# Altium PCB mainPCB.PcbDoc
Units mm, origin at the board's own origin, x right, y up, seen from the top; angles counter-clockwise.
Board outline 55 x 25 mm, 4 copper layers (Top Layer, Int1 (GND), Int2 (PWR), Bottom Layer), stack 1.369 mm thick; 62 components, 22 nets, 224 pads, 80 vias.
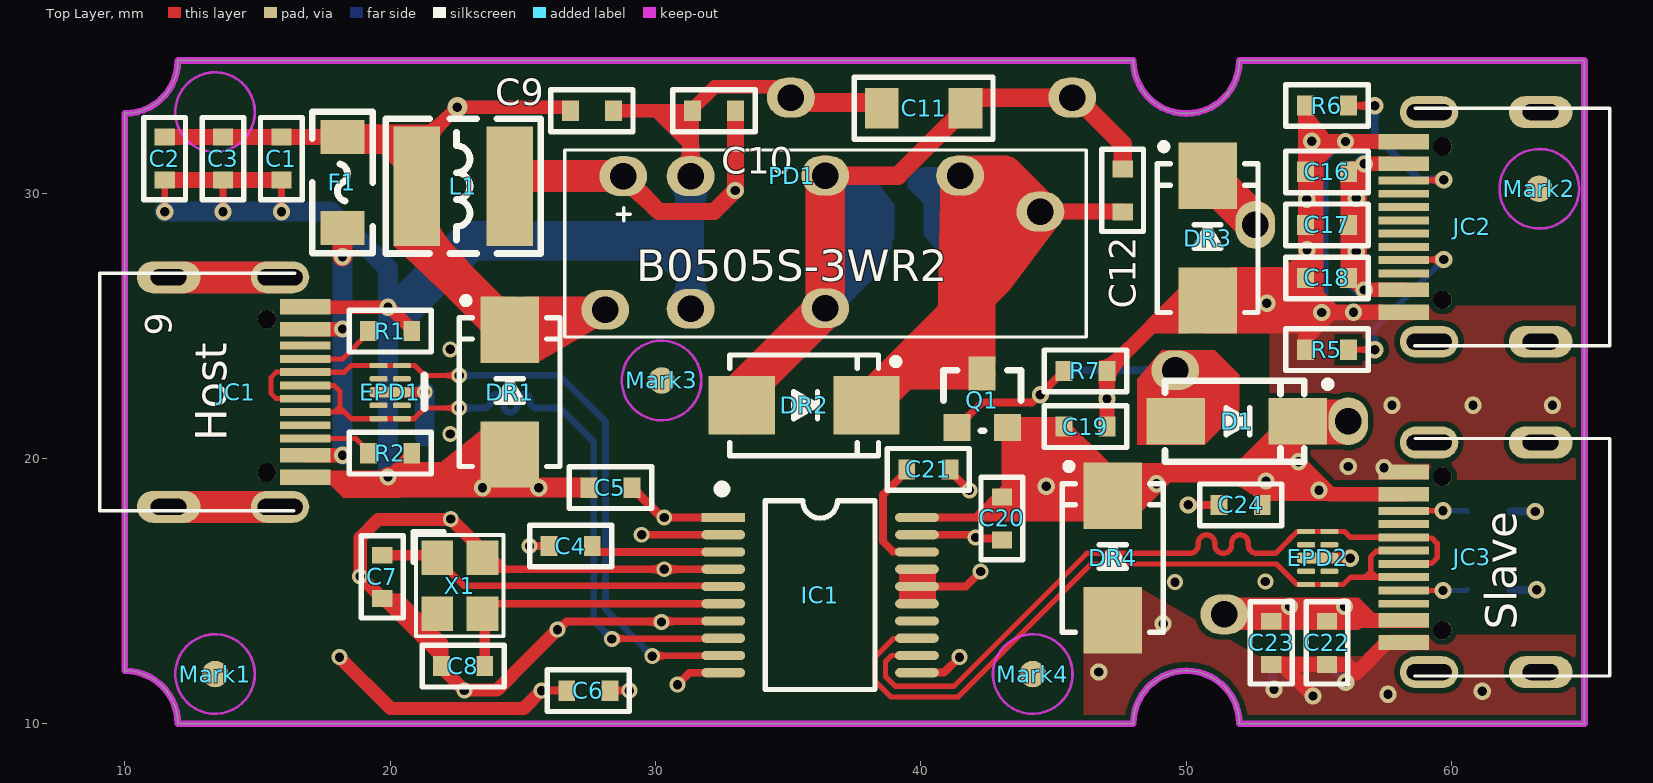
[diagram p0: Top Layer view]
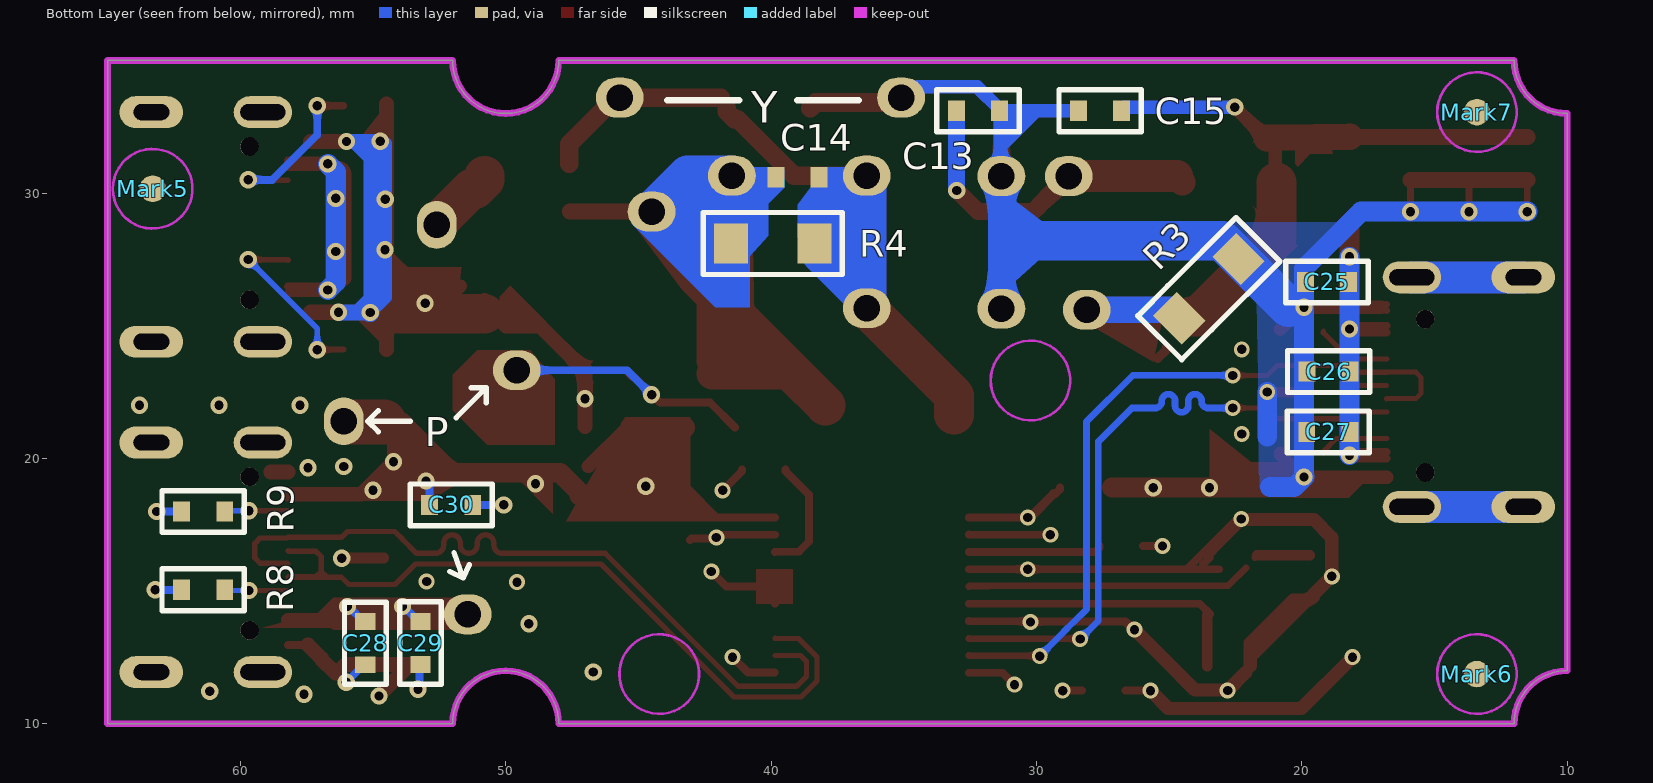
[diagram p1: Bottom Layer view, seen from below]
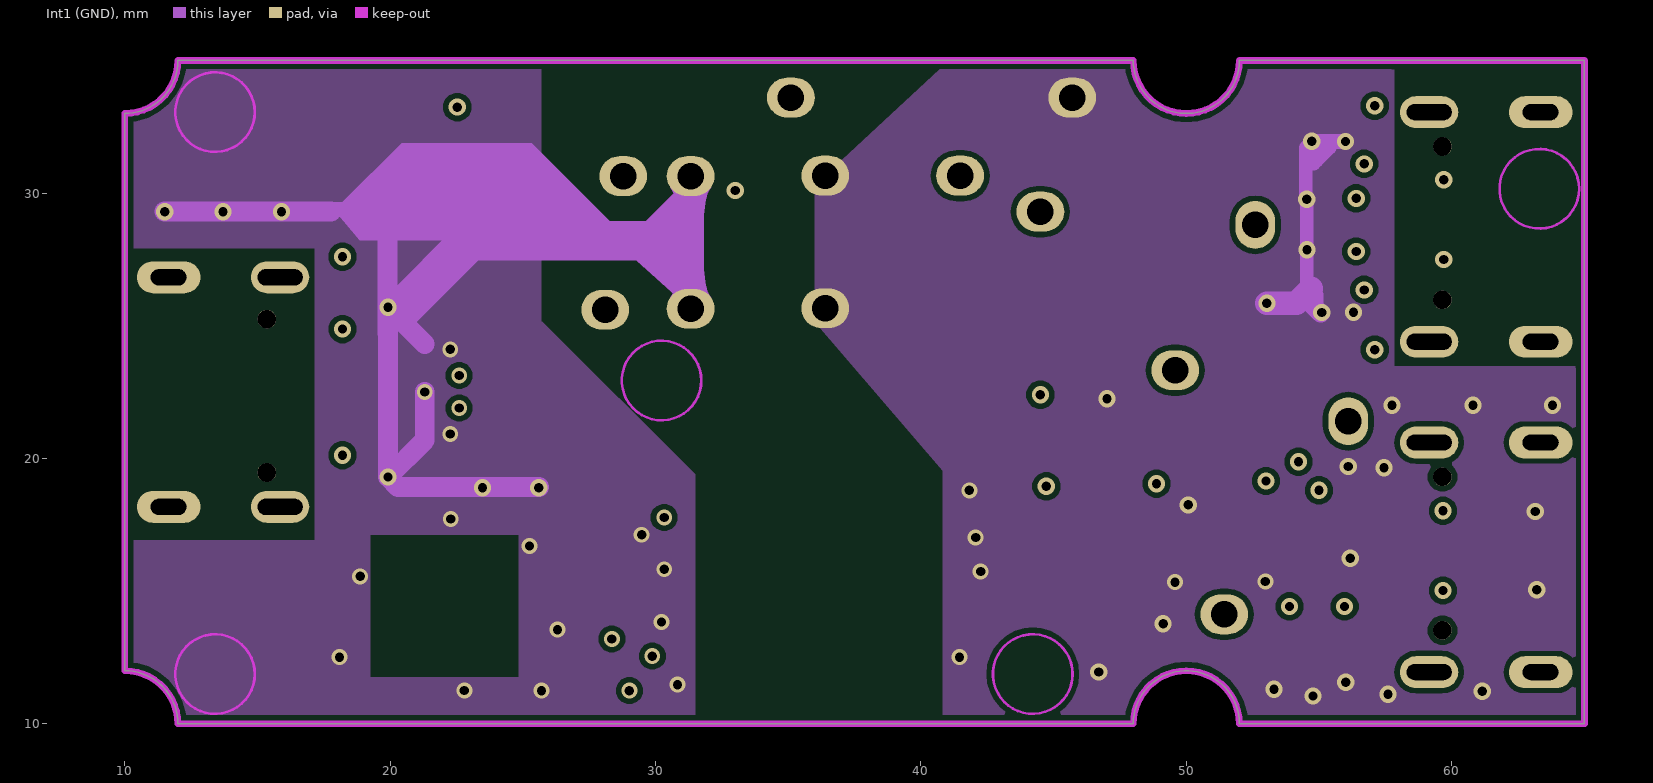
[diagram p2: Int1 (GND)]
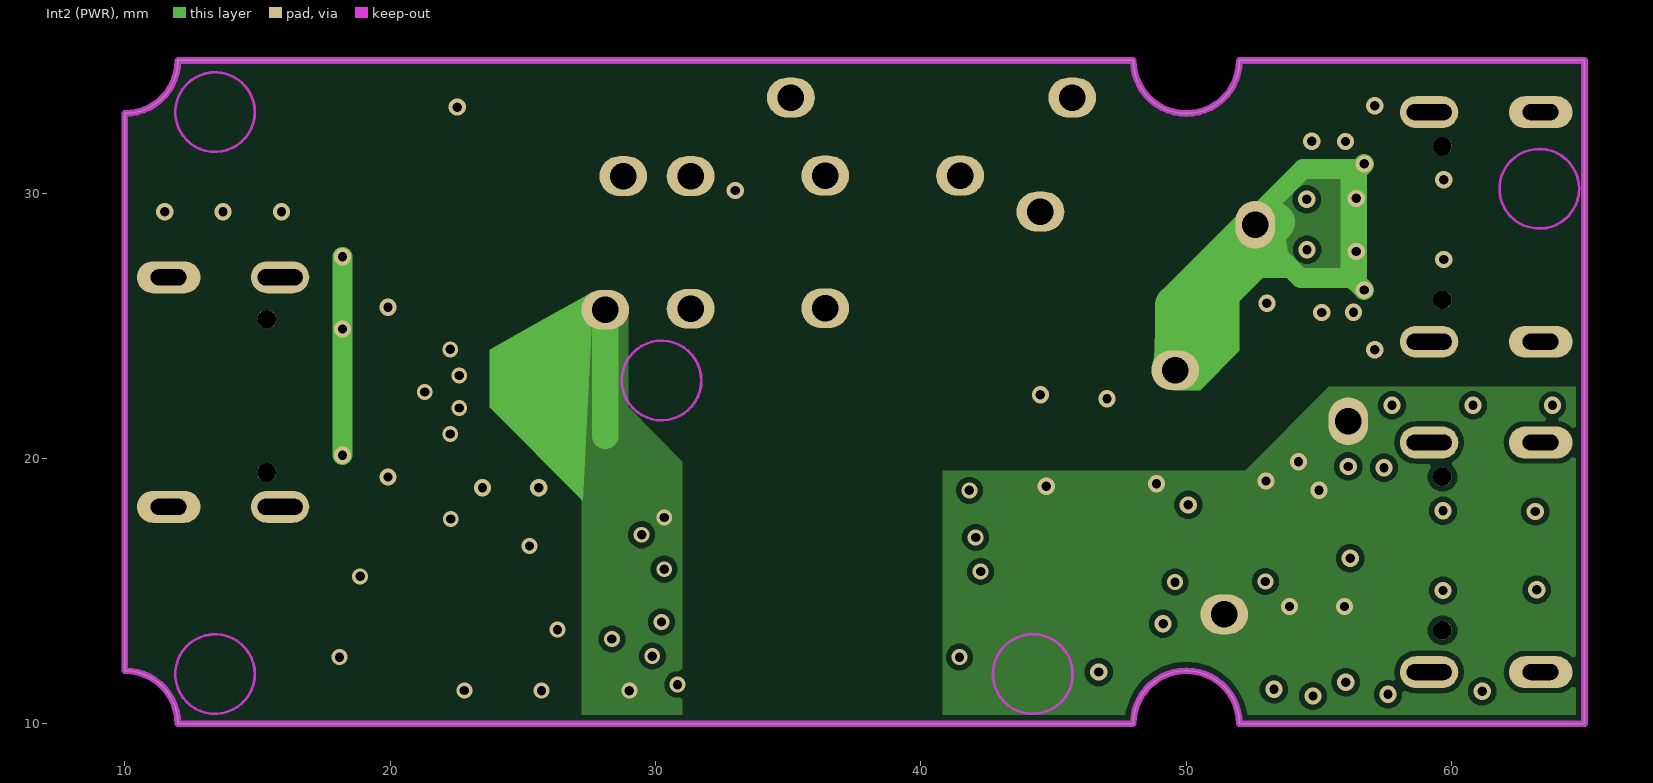
[diagram p3: Int2 (PWR)]
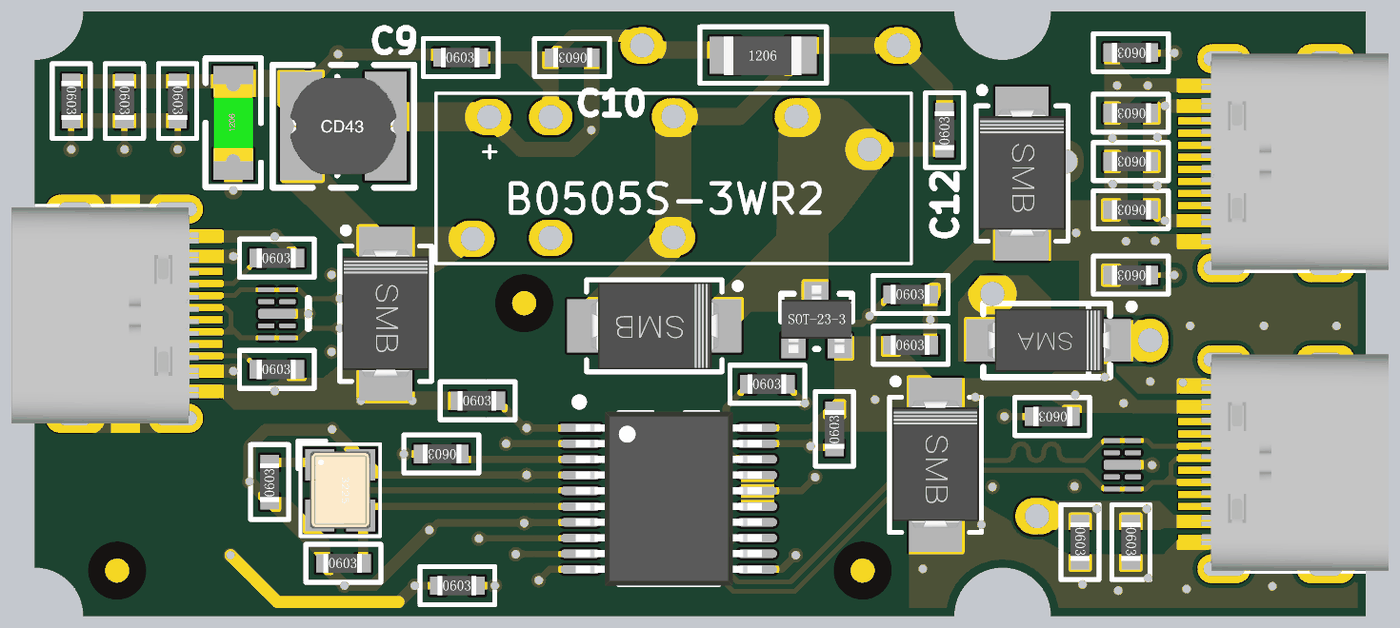
[diagram p4: 3D render of the assembled board from above, using the file's embedded part models]
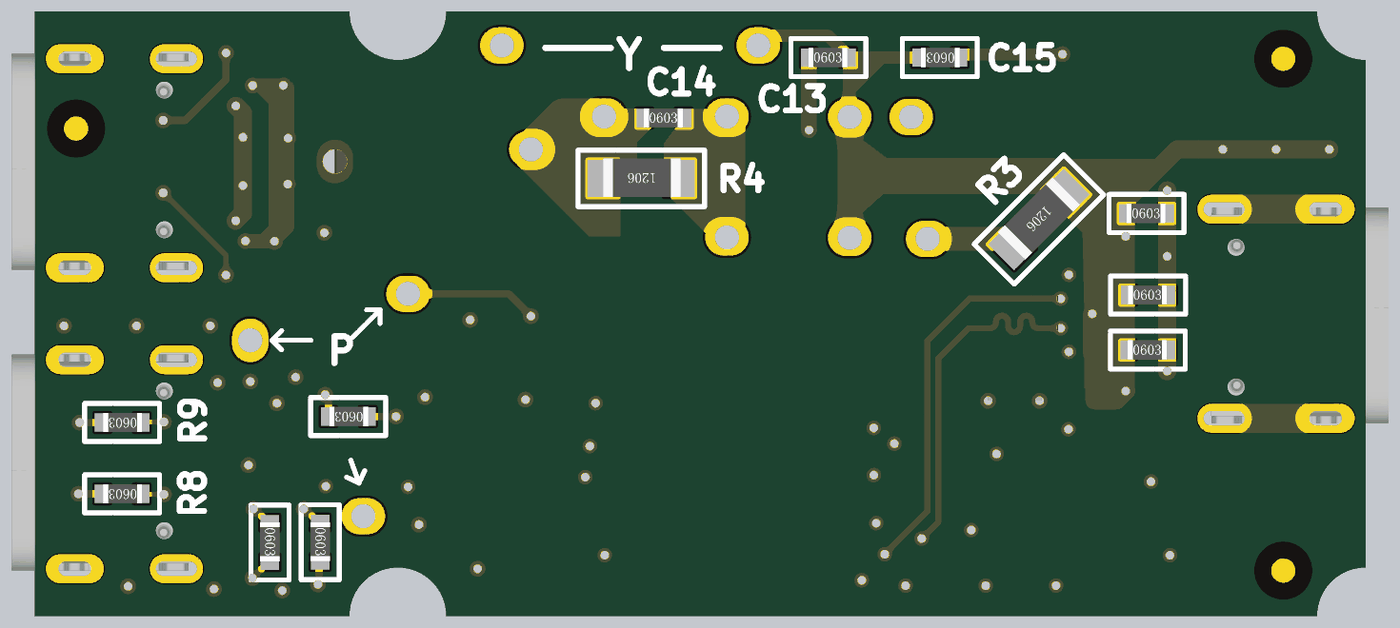
[diagram p5: 3D render of the assembled board from below, using the file's embedded part models]

## Layer stack, top to bottom
Top Solder: solder mask 0.0254, SM-001, Dk 4
Top Layer: signal copper 0.035
Dielectric 1: prepreg 0.1295, PP-017, Dk 4.3
Dielectric 2: prepreg 0.1295, PP-017, Dk 4.3
Int1 (GND): signal copper 0.035
Dielectric 3: core 0.7112, Core-039, Dk 4.8
Int2 (PWR): signal copper 0.035
Dielectric 4: prepreg 0.1295, PP-017, Dk 4.3
Dielectric 5: prepreg 0.1295, PP-017, Dk 4.3
Bottom Layer: signal copper 0.035
Bottom Solder: solder mask 0.0254, SM-001, Dk 4

## Board outline
10,12 cw(c10,10) 12,10 48,10 cw(c50,10) 52,10 65,10 65,35 52,35 cw(c50,35) 48,35 12,35 cw(c10,35) 10,33

## Design rules (kind name [scope] priority, off if disabled: settings)
Clearance [All] p1: gap=0.2 ignorepadtopadclearanceinfootprint=FALSE
DiffPairsRouting [All] p1: maxlimit=0.254 minlimit=0.2 mostfreqgap=0.2 toplayer_minwidth=0.1 toplayer_maxwidth=0.381 toplayer_prefwidth=0.2 midlayer1_minwidth=0.1 midlayer1_maxwidth=0.381 midlayer1_prefwidth=0.2 midlayer2_minwidth=0.1 midlayer2_maxwidth=0.381 midlayer2_prefwidth=0.2 bottomlayer_minwidth=0.1 bottomlayer_maxwidth=0.381 bottomlayer_prefwidth=0.2 maxuncoupledlength=5
PlaneConnect [All] p1: planeconnectstyle=Direct reliefexpansion=0.508 reliefentries=4 reliefconductorwidth=0.254 reliefairgap=0.254
PolygonConnect [All] p1: connectstyle=Direct reliefconductorwidth=0.254 reliefentries=4 polygonreliefangle="90 Angle" airgapwidth=0.254
RoutingVias [All] p1: holewidth=0.711 width=1.27 viastyle="Through Hole" minholewidth=0.711 minwidth=1.27 maxholewidth=0.711 maxwidth=1.27
SolderMaskExpansion [All] p1: expansion=0.102 istentingtop=FALSE
UnpouredPolygon [All] p1: allowunpoured=TRUE
Width [All] p1: maxlimit=2 minlimit=0.15 preferedwidth=0.254 toplayer_prefwidth=0.2 bottomlayer_prefwidth=0.2 minimp=50.000000 maximp=50.000000 favimp=50.000000
27 further rules are at their usual default settings.

## Classes and differential pairs
component class Sheet1: C1 C2 C3 C4 C6 C7 C8 C9 C10 C11 C12 C13 C14 C15 C16 C17 C18 C19 C20 C21 C22 C23 C24 D1 DR1 DR2 DR3 DR4 EPD1 EPD2 F1 IC1 JC1 JC2 JC3 L1 PD1 Q1 R1 R2 R3 R4 R5 R6 R7 R8 R9 X1
differential pair Slave_D: +Slave_D_P -Slave_D_N
differential pair Host_D: +Host_D_P -Host_D_N

## Components (designator, comment, footprint, x,y, rotation, side; value= is the part's Value field where it differs from the comment)
C1 "1uF" 0603 15.9,31.3 r270 top
C2 "0.1uF" 0603 11.5,31.3 r270 top
C3 "10uF" 0603 13.7,31.3 r270 top
C4 "0.1uF" 0603 26.8,16.7 r180 top
C5 "0.1uF" 0603 28.3,18.9 r0 top
C6 "1uF" 0603 27.463,11.25 r0 top
C7 "9pF" 0603 19.7,15.538 r90 top locked
C8 "9pF" 0603 22.75,12.175 r0 top locked
C9 "4.7uF" 0603 27.6,33.1 r0 top locked
C10 "4.7uF" 0603 32.2,33.1 r180 top locked
C11 "270pF/1000v/2000v" 1206R 40.1,33.2 r0 top locked
C12 "10uF" 0603 47.6,30.1 r90 top locked
C13 "Reserved" 0603 32.2,33.1 r180 bottom
C14 "Reserved" 0603 39,30.6 r180 bottom locked
C15 "Reserved" 0603 27.6,33.1 r0 bottom locked
C16 "1uF" 0603 55.3,30.8 r180 top
C17 "0.1uF" 0603 55.3,28.8 r180 top
C18 "10uF" 0603 55.3,26.8 r180 top
C19 "10uF" 0603 46.2,21.2 r0 top
C20 "0.1uF" 0603 43.05,17.738 r90 top
C21 "0.1uF" 0603 40.275,19.587 r0 top
C22 "1uF" 0603 55.3,13.05 r270 top
C23 "0.1uF" 0603 53.2,13.05 r270 top
C24 "10uF" 0603 52.05,18.25 r180 top locked
C25 "0.1uF" 0603 19.05,26.65 r180 bottom (schematic designator C2)
C26 "0.1uF" 0603 18.988,23.274 r180 bottom locked (schematic designator C2)
C27 "0.1uF" 0603 19,21 r180 bottom locked (schematic designator C2)
C28 "0.1uF" 0603 55.288,13.037 r270 bottom (schematic designator C23)
C29 "0.1uF" 0603 53.21,13.045 r270 bottom (schematic designator C23)
C30 "0.1uF" 0603 52.053,18.248 r0 bottom (schematic designator C23)
D1 "SS54" SMA/DO-214AC 51.9,21.4 r0 top
DR1 "SMBJ5.0CA" SMB 24.5,22.5 r90 top
DR2 "SMBJ5.0CA" SMB 35.6,22 r0 top locked
DR3 "SMBJ5.0CA" SMB 50.8,28.3 r90 top
DR4 "SMBJ5.0CA" SMB 47.225,16.25 r90 top
EPD1 "Rclamp0524P" SLP2510P8 20,22.5 r90 top locked
EPD2 "Rclamp0524P" SLP2510P8 54.95,16.25 r90 top
F1 "MSMF-6V 1.1A" "FU 1206" 18.2,30.4 r90 top locked
IC1 "ADuM3165" SSOP20 36.2,14.85 r0 top locked
JC1 "Type-c" TYPE-C-SMD_TYPE-C-31-M-41 12.3,22.5 r270 top locked
JC2 "Type-c" TYPE-C-SMD_TYPE-C-31-M-41 62.7,28.725 r90 top locked
JC3 "Type-c" TYPE-C-SMD_TYPE-C-31-M-41 62.7,16.275 r90 top locked
L1 "6.8uH" CD43 22.75,30.262 r0 top
Mark1 "Comment" "Mark 1" 13.4,11.875 r0 top
Mark2 "Comment" "Mark 1" 63.3,30.162 r0 top
Mark3 "Comment" "Mark 1" 30.225,22.938 r0 top
Mark4 "Comment" "Mark 1" 44.212,11.875 r0 top
Mark5 "Comment" "Mark 1" 63.3,30.162 r180 bottom
Mark6 "Comment" "Mark 1" 13.4,11.875 r180 bottom
Mark7 "Comment" "Mark 1" 13.4,33.05 r180 bottom
PD1 "B0505S-3WR2 Isolator" "B0505S-3WR2 K-CUT" 36.4,28.1 r0 top locked
Q1 "AO3401" SOT23 41.236,21.152 r0 top
R1 "5.1K" 0603 20,24.8 r0 top locked
R2 "5.1K" 0603 20,20.2 r0 top locked
R3 "R_VDR=9V(5V6)" 1206R 23.5,26.4 r315 bottom
R4 "" 1206R 39.937,28.1 r0 bottom locked
R5 "5.1K" 0603 55.3,24.1 r180 top
R6 "5.1K" 0603 55.3,33.3 r180 top
R7 "10K" 0603 46.2,23.3 r0 top
R8 "?" 0603 61.4,15.05 r0 bottom
R9 "?" 0603 61.4,18 r0 bottom
X1 "24MHz" "OSC 3225-4P" 22.625,15.205 r270 top locked

## Footprints (in the part's own frame and the unit in brackets; to place one, negate y for a bottom-side part, rotate by r counter-clockwise, add the part's x,y. Pads: shape width x height; smd on the part's side, far side on the other; paste and mask are expansions set on the pad)
0603 [mil]
  rect 25x30 smd: 1(-32,0) 2(32,0)
  silkscreen extent -61,-31 61,31, body extent -32,-16 31,16, height 18
1206R [mil]
  rect 50x60 smd: 1(-62,0) 2(62,0)
  silkscreen extent -103,-46 103,46, body extent -64,-32 62,31, height 24
"B0505S-3WR2 K-CUT" [mm] "power isolator module"
  oval 1.8x1.5 hole 1: 1(-7.62,2.54) 2(-5.08,2.54) 4(-0.005,2.559) 6(5.075,2.559)
  silkscreen extent -9.82,-3.52 9.82,3.52, body extent -9.82,-3.52 9.82,3.52, height 10.16
CD43 [mm] "4.5*4*3.2mm（长宽高）"
  rect 1.75x4.5 smd: 1(-1.75,0) 2(1.75,0)
  silkscreen extent -2.92,-2.54 2.92,2.54, body extent -2.21,-2 2.21,2, height 3.3
"FU 1206" [mil] "贴片保险丝"
  rect 50x65 smd: 1(-67.5,0) 2(67.5,0)
  silkscreen extent -105,-45 105,45, body extent -63,-32 63,32, height 34
"Mark 1" [mm] "光学定位点，直径1mm"
  round 1 smd paste-1 mask+0.7: Mark(0,0)
  Keep-Out Layer circle w0.1: c0,0 r1.5
"OSC 3225-4P" [mm] "3.2*2.5*0.7mm(长宽高)"
  rect 1.3x1.2 smd: 1(-1.05,-0.85) 2(1.05,-0.85) 3(1.05,0.85) 4(-1.05,0.85)
  silkscreen extent -2.03,-1.75 1.91,1.65, body extent -1.6,-1.25 1.6,1.25, height 0.7
SLP2510P8 [mm] "ESD TVS-Arrays Supplier specified"
  rrect50% 0.2x0.675 smd: 1(-1,-0.437) 1(-1,0.437) 2(-0.5,-0.437)
  rrect50% 0.2x0.675 smd mask+0.102: 2(-0.5,0.437) 4(0.5,-0.437) 4(0.5,0.437) 5(1,-0.437) 5(1,0.437)
  rrect50% 0.4x1.55 smd: 3(0,0)
  body extent -1.25,-0.53 1.25,0.47, height 0.56
SMA/DO-214AC [mm] "4.5x2.6*2.2mm（长宽高，不包括引脚）"
  rect 2.2x1.75 smd: 1(-2.3,0) 2(2.3,0)
  silkscreen extent -2.7,-1.52 3.56,1.52, body extent -2.53,-1.3 2.58,1.3, height 2.15
SMB [mm] "4.7*3.9*2.2mm(长宽高，不包括引脚）"
  rect 2.5x2.2 smd: 1(-2.35,0) 2(2.35,0)
  silkscreen extent -2.8,-1.9 3.57,1.9, body extent -2.63,-1.8 2.67,1.8, height 2.35
SOT23 [mil]
  rect 40x40 smd: 1(4.88,0.63) 3(79.88,0.63)
  rect 40x50 smd: 2(41.88,80.63)
  silkscreen extent -15,-4 100,86, body extent -15,-11 99,99, height 47
SSOP20 [mm] "7.2*7.8*1.6mm（蒜米工坊）"
  rect 1.65x0.35 smd: 1(-3.65,2.925)
  oval 1.65x0.35 smd: 2(-3.65,2.275) 3(-3.65,1.625) 4(-3.65,0.975) 5(-3.65,0.325) 6(-3.65,-0.325) 7(-3.65,-0.975) 8(-3.65,-1.625) 9(-3.65,-2.275) 10(-3.65,-2.925) 11(3.65,-2.925) 12(3.65,-2.275) 13(3.65,-1.625) 14(3.65,-0.975) 15(3.65,-0.325) 16(3.65,0.325) 17(3.65,0.975) 18(3.65,1.625) 19(3.65,2.275) 20(3.65,2.925)
  silkscreen extent -3.83,-3.56 2.06,4.13, body extent -3.85,-3.6 3.85,3.6, height 1.65
TYPE-C-SMD_TYPE-C-31-M-41 [mm] "HANDE TYPE-C 16P"
  rect 0.4x1.9 smd paste-100 mask+0.05: A1(-3.3,4.5) A12(3.3,4.5)
  rect 0.3x1.9 smd paste-100 mask+0.05: A4(-2.5,4.5) A5(-1.25,4.5) A6(-0.25,4.5) A7(0.25,4.5) A8(1.249,4.5) A9(2.5,4.5) B1(3.075,4.5) B4(2.25,4.5) B5(1.75,4.5) B6(0.75,4.5) B7(-0.75,4.5) B8(-1.75,4.5) B9(-2.25,4.5) B12(-3.075,4.5)
  oval 1.2x2.2 hole 0.6 slot 1.7 at 90 deg paste+0 mask+0.051: SHEILD(-4.325,3.55) SHEILD(4.325,3.55)
  oval 1.2x2.4 hole 0.6 slot 1.35 at 90 deg paste+0 mask+0.051: SHEILD(-4.325,-0.65) SHEILD(4.325,-0.65)
  round 0.7 hole 0.7 unplated paste+0 mask+0: ""(-2.75,3.05) ""(3.03,3.05)
  silkscreen extent -4.47,-3.25 4.47,4.1, body extent -4.4,-3.26 4.54,4.49, height 3.27

## Part data
C1 C2 C3 C4 C5 C6 C7 C8 C9 C10 C11 C12 C13 C14 C15 C16 C17 C18 C19 C20 C21 C22 C23 C24 C25 C26 C27 C28 C29 C30: library part C, "无极性贴片电容", BOM名称=无极性贴片电容, 学习资源=www.ooocke.com, 版权归属=源创客
D1: "肖特基二极管", BOM名称=整流二极管, 学习资源=www.ooocke.com, 版权归属=源创客
DR1 DR2 DR3 DR4: "瞬态电压抑制二极管", BOM名称=瞬态电压抑制二极管, 学习资源=www.ooocke.com, 版权归属=源创客
EPD1 EPD2: "Rclamp0524P  Ultra Low Capacitance TVS Arrays"
F1: library part FU, "贴片保险丝", BOM名称=贴片保险丝, 学习资源=www.ooocke.com, 版权归属=源创客
IC1: "3.75kV RMS Digital Isolators for USB2.0 High Speed"
JC1 JC2 JC3: library part Type-C
L1: library part L-CD, "贴片功率电感", BOM名称=功率电感, 学习资源=www.ooocke.com, 版权归属=源创客
PD1: library part B0505S-3WR2, "K-CUT 05v - 05v power isolator"
Q1: "P沟增强型场效应管", BOM名称=P沟场效应管, 学习资源=www.ooocke.com, 版权归属=源创客
R1 R2 R5 R6 R7 R8 R9: library part R, "贴片电阻", BOM名称=贴片电阻, 学习资源=www.ooocke.com, 版权归属=源创客
R3 R4: library part R_VDR, "压敏电阻", BOM名称=压敏电阻, 学习资源=www.ooocke.com, 版权归属=源创客
X1: library part XTAL-4P, "4脚无源晶振", BOM名称=4脚无源晶振, 学习资源=www.ooocke.com, 版权归属=源创客

## Free pads (board coordinates)
  oval 1.8x1.5 hole 1 mask+0.102: 2(28.1,25.6) 2(31.32,25.64) 2(36.395,25.659) 2(44.5,29.3) 2(49.578,23.324) 2(51.425,14.125)
  oval 1.8x1.5 hole 1: 2(35.1,33.6) 2(45.7,33.6)
  oval 1.5x1.8 hole 1 mask+0.102: 2(52.6,28.8) 2(56.1,21.4)

## Via types
v1: diameter 0.65, hole 0.35, Top Layer to Bottom Layer, tented both sides, 53 vias
v2: diameter 0.6, hole 0.35, Top Layer to Bottom Layer, tented both sides, 26 vias
v3: diameter 0.75/0.65/0.65/0.65 (per signal layer), hole 0.35, Top Layer to Bottom Layer, tented both sides, 1 vias

## Nets (pads, with @x,y where several pads share a name; then routed paths per layer and width w, separated by ;. In a path a pad name is that pad's centre, name@x,y a point inside that pad or via, vN(x,y) a via of type N, cw(c..) or ccw(c..) an arc to the next point about the centre after c; other vN are vias at no path point)
Ext_5v: C16.1 C17.1 C18.1 D1.1 DR3.2 JC2.A4 JC2.A9 JC2.B4 JC2.B9 pad.2@49.578,23.324 pad.2@52.6,28.8 Q1.1 R7.1 | length 57.4
  Top Layer w0.3: Q1.1 42.292,22.1 44.187,22.1 45.156,23.069 45.22,23.069 45.387,23.236 R7.1 ; JC2.A4 56.826,26.225 v1(56.7,26.35) 56.824,26.475 JC2.B9 ; JC2.B4 56.825,30.975 v1(56.7,31.1) 56.825,31.225 JC2.A9
  Top Layer w0.6: C18.1 56.25,26.8 v1(56.7,26.35) ; C16.1@56.3,30.7 v1(56.7,31.1)
  Top Layer w1: C18.1@56.3,26.9 C16.1@56.3,30.7
  Top Layer w1.3: DR3.2 DR3.2@51.25,30.2
  Top Layer w1.5: pad.2@49.578,23.324 49.589,23.324 49.589,21.411 D1.1 ; DR3.2 50.8,30.5 51.15,30.15 51.3,30.15 52.5,28.95 52.6,28.95 pad.2@52.6,28.85
  Int2 (PWR) w0.75: pad.2@52.7,28.4 52.775,28.325 54.3,26.8 56.25,26.8 ; pad.2@52.7,29.2 54.4,30.9 v1@56.5,30.9 ; v1(56.7,26.35) 56.4,26.65 v1(56.4,27.8) v1(56.4,29.8) 56.4,30.8 v1@56.5,30.9 ; v1(56.7,31.1) v1@56.5,30.9
  Int2 (PWR) w1: 56.3,26.9 56.3,30.7
  Int2 (PWR) w1.5: pad.2@49.578,23.324 49.578,25.778 52.45,28.65 52.6,28.65 pad.2@52.6,28.8 ; pad.2@52.575,28.125 52.775,28.325 53.35,28.9
  Bottom Layer w0.3: v1(44.5,22.4) 45.424,23.324 pad.2@49.578,23.324
  Bottom Layer w0.75: v1(56.7,26.35) 56.4,26.65 v1(56.4,27.8) v1(56.4,29.8) 56.4,30.8 v1(56.7,31.1)
Host_5v: C1.1 C2.1 C3.1 C5.2 C6.2 C9.1 C15.1 DR1.2 F1.2 IC1.1 L1.1 pad.2@28.1,25.6 R3.2 | length 45
  Top Layer w0.254: F1.2@18.198,32.113 F1.2
  Top Layer w0.3: C6.2 v2(29.012,11.25) ; C5.2 29.113,18.837 29.28,18.669 C5.2@29.344,18.669 ; v2@30.18,17.832 30.268,17.832 v2(30.325,17.775) IC1.1
  Top Layer w0.35: DR1.2@25.1,24.2 25.1,24.1 DR1.2@25.425,23.775 ; C5.2@29.344,18.669 v2@30.18,17.832
  Top Layer w0.508: L1.1 21,31.712 21.376,32.088 21.451,32.088 21.621,32.259 21.621,32.333 v3(22.528,33.239) ; v3@22.465,33.227 26.724,33.227 26.787,33.163 C9.1
  Top Layer w0.6: C2.1 C3.1 C1.1 F1.2@18.198,32.113
  Top Layer w1: F1.2 20.942,32.08 L1.1@21.314,32.076 ; DR1.2@25.175,25.6 pad.2@28.1,25.6
  Top Layer w1.5: L1.1@20.95,30.4 20.95,28.329 23.929,25.35 DR1.2@24.15,25.35
  Int2 (PWR) w1: 28.1,20.85 pad.2@28.1,25.6
  Bottom Layer w0.508: v3@22.504,33.227 26.724,33.227 26.787,33.163 C15.1
  Bottom Layer w1: R3.2@24.8,25.6 pad.2@28.1,25.6
Host_D_N: EPD1.5 IC1.9 JC1.A7 JC1.B7 | length 27.7
  Top Layer w0.19: JC1.A7 15.705,22.251 15.5,22.457 15.5,23.044 15.705,23.249 16.799,23.249 JC1.B7
  Top Layer w0.2: JC1.B7 18.267,23.25 18.516,23.5 19.563,23.5 20.438,23.5 20.925,23.5 21.3,23.125 v2@22.375,23.125
  Top Layer w0.25: v2(29.875,12.55) 29.887,12.562 32.538,12.562 IC1.9
  Bottom Layer w0.25: v2@22.605,23.13 26.37,23.13 28.113,21.387 28.113,19.242 28.113,19.175 28.113,14.312 28.6,13.825 28.609,13.825 28.975,13.459 28.975,13.45 v2(29.875,12.55)
  other v2: 22.6,23.125
Host_D_P: EPD1.1 IC1.8 JC1.A6 JC1.B6 | length 27.7
  Top Layer w0.19: JC1.A6@16.801,22.749 17.895,22.749 18.099,22.545 18.099,21.955 17.895,21.75
  Top Layer w0.2: JC1.B6 17.895,21.75 18.272,21.75 ; 18.099,21.955 18.099,21.923 18.272,21.75 ; v2(22.6,21.9) 21.305,21.9 20.905,21.5 20.438,21.5 19.563,21.5 18.522,21.5 18.272,21.75
  Top Layer w0.25: v2(28.35,13.2) 28.362,13.212 32.537,13.212 IC1.8
  Bottom Layer w0.25: v2(22.6,21.9) 23.4,21.9 23.525,21.9 ccw(c23.525,22.15) 23.775,22.15 23.775,22.172 cw(c24.025,22.172) 24.275,22.172 24.275,21.988 ccw(c24.525,21.988) 24.775,21.988 24.775,22.172 cw(c25.025,22.172) 25.275,22.172 25.275,22.15 ccw(c25.525,22.15) 25.525,21.9 26.084,21.9 26.4,21.9 27.663,20.637 27.663,19.242 27.663,19.175 27.663,13.887 v2(28.35,13.2)
Host_GND: C1.2 C2.2 C3.2 C4.2 C5.1 C6.1 C7.1 C8.1 C9.2 C10.2 C11.1 C13.2 C15.2 C25.1 C26.1 C27.1 DR1.1 EPD1.3 IC1.2 IC1.4 IC1.7 IC1.10 JC1.A1 JC1.A12 JC1.B1 JC1.B12 pad.2@31.32,25.64 pad.2@35.1,33.6 PD1.2 R1.2 R2.2 R3.1 X1.2 X1.4 | length 191
  Top Layer w0.254: v1(11.5,29.3) C2.2 ; v1(13.7,29.3) C3.2 ; v1(15.9,29.3) C1.2 ; JC1.B12 JC1.A1@16.913,25.688 ; JC1.A1 JC1.A1@16.913,25.688 ; JC1.B12@17,25.6 JC1.A1@16.913,25.688 ; JC1.A1@17.025,25.8 JC1.A1@16.913,25.688 ; R1.2 R1.2@20.813,24.864
  Top Layer w0.3: C8.1@22.012,12.175 22.012,12.037 C8.1@22.105,11.944 ; X1.4@23.121,15.825 24.325,15.825 ; X1.4@23.225,16.725 23.275,16.725 23.425,16.725 24.325,15.825 ; X1.4 X1.4@23.717,16.013 ; v2(25.251,16.7) C4.2 ; v2(25.7,11.25) C6.1 ; v2(26.3,13.55) 26.336,13.55 26.636,13.85 30.212,13.85 v2(30.225,13.837) ; v2(29.475,17.125) IC1.2 IC1.2@32.54,17.135 ; v2@30.328,13.865 32.54,13.865 IC1.7 ; v2(30.825,11.475) 31.275,11.925 IC1.10 ; IC1.4 v2(30.325,15.825) 24.325,15.825
  Top Layer w0.4: EPD1.3 v2(21.3,22.5)
  Top Layer w0.5: v2(18.088,12.512) 20.023,10.577 25.027,10.577 v2(25.7,11.25) ; C8.1 C8.1@21.937,12.529 ; C8.1@22.105,11.944 22.774,11.275 24.025,11.275 25.19,12.44 v2(26.3,13.55) ; X1.4@23.513,16.487 23.275,16.725 22.3,17.7 19.55,17.7 18.869,17.019 v2(18.869,15.556) 19.569,14.856 19.569,14.793 19.636,14.725 C7.1 ; C7.1 19.763,14.725 C7.1@19.831,14.657 ; C7.1 19.767,14.657 C7.1@19.831,14.657 ; C7.1@19.831,14.657 19.831,14.635 C8.1@21.937,12.529 ; C7.1@19.831,14.657 20.318,14.657 21.937,13.038 C8.1@21.937,12.529
  Top Layer w0.508: JC1.B1@16.8,19.3 v1(19.913,19.3) 19.94,19.327 20.003,19.327 20.813,20.137 R2.2 ; JC1.A1@17,25.7 v1(19.913,25.7) 19.976,25.7 R1.2@20.813,24.864 ; C9.2 30.025,33.1 ; 30.8,32.9 31.1,32.6 ; C10.2@31.287,33.1 30.025,33.1 ; 31.32,31.805 30.025,33.1 ; C10.2 31.387,33.163 32.224,34 pad.2@35.175,34
  Top Layer w0.6: C2.2 C3.2 C1.2
  Top Layer w0.635: PD1.2 31.32,31.805 C10.2@31.32,32.969
  Top Layer w0.7: pad.2@35.1,33.6 35.253,33.447 35.821,33.447 35.855,33.413 38.313,33.413 C11.1
  Top Layer w0.75: v1(19.913,19.3) 20.313,18.9 22.856,18.9 v1(23.475,18.9) v1(25.6,18.9) 27.15,18.9
  Int1 (GND) w0.75: v1(11.5,29.3) v1(13.7,29.3) v1(15.9,29.3) 17.773,29.3 ; 19.899,24.713 19.899,30.4 ; v2(21.3,22.5) 21.3,20.687 v1(19.913,19.3) ; 21.3,24.313 v1(19.913,25.7) v1@19.913,19.3 ; v1@25.6,18.919 23.475,18.919 21.619,18.919 20.294,18.919 v1(19.913,19.3)
  Int1 (GND) w1: pad.2@31.32,25.64 PD1.2
  Int1 (GND) w1.5: 20.5,25.7 23,28.2 30.9,28.2
  Bottom Layer w0.254: 30.694,32.906 30.694,33.1
  Bottom Layer w0.508: C15.2 30,33.1 ; 30.694,32.906 31.2,32.4 ; PD1.2 31.354,30.674 31.354,33.066 C13.2 ; 31.32,31.78 30,33.1 ; pad.2@35.175,34 32.224,34 31.387,33.163 C13.2 ; 30,33.1 30.694,33.1 C13.2
  Bottom Layer w0.75: v1(11.5,29.3) v1(13.7,29.3) v1(15.9,29.3) 17.773,29.3 19.913,27.16 v1(19.913,25.7) 20.5,25.7 ; v1(19.913,19.3) v1@19.913,19.325 ; v1(19.913,25.7) v1@19.913,19.325 ; 21.2,18.919 20.294,18.919 19.888,19.325 v1@19.913,19.325 ; 21.3,20.83 v2(21.3,22.5)
  Bottom Layer w1: pad.2@31.32,25.64 PD1.2
  Bottom Layer w1.5: 20.5,25.7 23,28.2 30.9,28.2
  other v2: 22.791,11.253 22.281,17.719 22.263,20.925 22.263,24.112
ISO_5v: C12.1 C14.1 DR2.2 pad.2@44.5,29.3 PD1.6 Q1.2 R4.2 | length 35.5
  Top Layer w0.2: 40.525,24.575 40.725,24.575 40.925,24.575 ; 41.35,25.4 41.55,25.4
  Top Layer w0.6: pad.2@44.501,29.301 C12.1@47.586,29.301
  Top Layer w0.9: 40.956,25.006 Q1.2@42.287,23.674 ; Q1.2@41.915,23.385 42.242,23.385 42.3,23.327 Q1.2
  Top Layer w1: Q1.2@42.299,23.674 42.299,25.6 42.3,26.182
  Top Layer w1.1: 40.725,24.575 Q1.2@41.915,23.385
  Top Layer w1.2: 39.139,23.189 Q1.2@42.208,23.189
  Top Layer w1.5: DR2.2 39.139,23.189 40.675,24.725 41.35,25.4 ; PD1.6 PD1.6@41.55,30.659 ; 41.55,25.6 41.55,26.932 PD1.6@41.55,30.659 ; 41.8,28.2 42.901,29.301 ; pad.2@44.5,29.3 44.35,29.3 44.35,29.45 43.141,30.659 PD1.6@41.55,30.659
  Bottom Layer w0.7: 40.134,30.634 PD1.6@41.5,30.634
  Bottom Layer w1: PD1.6 41.5,30.634 41.525,30.609 R4.2@41.525,28.3
  Bottom Layer w1.5: PD1.6@41.55,30.659 43.141,30.659 pad.2@44.35,29.45
NetC4_1: C4.1 IC1.3 | length 5.1
  Top Layer w0.3: C4.1 27.613,16.643 27.78,16.475 IC1.3
NetC7_2: C7.2 IC1.5 X1.1 | length 12.9
  Top Layer w0.25: X1.1@21.679,16.351 X1.1 ; X1.1@22.1,15.875 22.775,15.2 31.804,15.2 31.81,15.194 32.531,15.194 IC1.5
  Top Layer w0.4: C7.2 X1.1@21.679,16.351
NetC8_2: C8.2 IC1.6 X1.3 | length 11.3
  Top Layer w0.3: X1.3@23.463,14.142 23.845,14.525 IC1.6 ; X1.3 X1.3@23.563,14.067
  Top Layer w0.4: C8.2 X1.3@23.563,14.067
NetC10_1: C10.1 C13.1 L1.2 PD1.1 | length 15.5
  Top Layer w0.635: PD1.1 30.12,29.3 32.2,29.3 v1(33,30.1) ; v1@33.013,30.113 C10.1
  Top Layer w1: L1.2@24.512,30.412 L1.2@24.752,30.652
  Top Layer w1.2: L1.2@24.69,30.64 PD1.1
  Bottom Layer w0.635: v1(33,30.1) 33.013,30.113 C13.1
NetC21_1: C21.1 IC1.18 | length 4.5
  Top Layer w0.3: C21.1 39.462,19.524 38.575,18.637 38.575,16.863 38.953,16.485 39.84,16.485 IC1.18
NetF1_1: C25.2 C26.2 C27.2 F1.1 JC1.A4 JC1.A9 JC1.B4 JC1.B9 | length 21.8
  Top Layer w0.19: v1@18.075,24.75 v1(18.2,24.875) v1@18.075,25
  Top Layer w0.3: JC1.A9 v1@18.075,20 ; JC1.B4 v1@17.98,20.25 ; JC1.B9 v1@18.075,24.75 ; JC1.A4 v1@18.075,25 ; v1@18.1,20.25 v1@17.98,20.25 ; v1(18.2,20.125) 18.105,20.125 v1@17.98,20.25
  Top Layer w0.75: v1(18.2,27.6) F1.1
  Int2 (PWR) w0.75: v1(18.2,20.125) v1(18.2,27.6)
  Bottom Layer w0.75: v1(18.2,20.125) 18.2,21 18.2,23.274 v1(18.2,24.875) 18.2,26.65 v1(18.2,27.6)
NetJC1_A5: JC1.A5 R1.1 | length 2.9
  Top Layer w0.19: R1.1@19.187,24.737 R1.1
  Top Layer w0.2: JC1.A5 18.201,23.75 R1.1@19.187,24.737
NetJC1_B5: JC1.B5 R2.1 | length 2.7
  Top Layer w0.19: R2.1 R2.1@19.187,20.264
  Top Layer w0.2: JC1.B5 18.701,20.75 R2.1@19.187,20.264
NetJC2_A5: JC2.A5 R5.1 | length 7
  Top Layer w0.22: R5.1 v1(57.1,24.1) ; JC2.A5 58.213,27.487 59.687,27.487 v1(59.7,27.5)
  Bottom Layer w0.22: v1(57.1,24.1) 57.1,24.9 v1(59.7,27.5)
NetJC2_B5: JC2.B5 R6.1 | length 6.9
  Top Layer w0.2: R6.1 R6.1@56.123,33.29 ; JC2.B5 58.213,30.487 59.687,30.487 v1(59.7,30.5)
  Top Layer w0.3: R6.1@56.123,33.29 v1(57.1,33.29)
  Bottom Layer w0.3: v1(57.1,33.29) 57.1,32.195 58.795,30.5 v1(59.7,30.5)
NetJC3_A5: JC3.A5 R8.1 | length 2.6
  Top Layer w0.2: JC3.A5 v1@59.851,15.025
  Bottom Layer w0.2: v1(59.67,15.025) 60.562,15.025 R8.1
NetJC3_B5: JC3.B5 R9.1 | length 2.6
  Top Layer w0.2: JC3.B5 59.826,18.025 v1@59.851,18
  Bottom Layer w0.2: v1(59.67,18.025) 60.562,18.025 R9.1
Slave_5v: C19.1 C20.2 C22.1 C23.1 C24.1 C28.1 C29.1 C30.2 D1.2 DR4.2 IC1.20 JC3.A4 JC3.A9 JC3.B4 JC3.B9 pad.2@51.425,14.125 pad.2@56.1,21.4 Q1.3 | length 32.7
  Top Layer w0.3: IC1.20 43.407,17.775
  Top Layer w0.5: C19.1 DR4.2@46.887,19.7
  Top Layer w0.55: D1.2 54.2,19.9 v1(54.224,19.876) 55.45,18.65 JC3.B4@58.2,18.65 ; 56.55,13.9 JC3.A4@58.2,13.9
  Top Layer w0.6: pad.2@51.35,13.9 C22.1@55.263,13.9 ; C22.1@55.337,13.9 56.55,13.9
  Top Layer w0.75: DR4.2 47.225,18.738 47.95,19.463 52.038,19.463 53.475,20.9 53.975,21.4 D1.2
  Top Layer w0.8: Q1.3 C19.1@45.3,21.168
  Top Layer w1.7: D1.2@54.587,21.378 pad.2@55.8,21.378
  Bottom Layer w0.3: C30.2 52.866,18.921 53,19.055 v1(53,19.15) ; C29.1 53.273,13.858 53.841,14.425 v1(53.887,14.425) ; C28.1@55.351,13.85 55.926,14.425 v1(55.962,14.425)
  other v1: 55,18.8 44.725,18.95 48.875,19.05
Slave_D_N: EPD2.1 IC1.13 JC3.A7 JC3.B7 | length 29
  Top Layer w0.2: IC1.13 39.843,13.218 38.965,13.218 38.266,12.52 38.266,11.621 38.875,11.013 41.4,11.013 46.413,16.025 53.4,16.025 54.175,15.25 54.512,15.25 55.387,15.25 55.913,15.25 56.187,15.525 56.75,15.525 57.15,15.525 JC3.B7 58.174,15.551 57.15,15.551 56.95,15.751 ; 56.75,15.551 56.95,15.751 ; JC3.A7 58.174,16.499 57.15,16.499 56.95,16.299 56.95,15.751
Slave_D_P: EPD2.5 IC1.12 JC3.A6 JC3.B6 | length 29
  Top Layer w0.2: IC1.12 38.887,12.575 38.666,12.354 38.666,11.787 39.041,11.412 41.234,11.412 46.247,16.425 49.689,16.425 50.13,16.425 ccw(c50.13,16.74) 50.445,16.74 50.445,16.805 cw(c50.76,16.805) 50.76,17.12 cw(c50.76,16.805) 51.075,16.805 51.075,16.74 ccw(c51.39,16.74) 51.39,16.425 ccw(c51.39,16.74) 51.705,16.74 51.705,16.805 cw(c52.02,16.805) 52.02,17.12 cw(c52.02,16.805) 52.335,16.805 52.335,16.74 ccw(c52.65,16.74) 52.65,16.425 53.362,16.425 53.38,16.443 53.875,16.937 53.875,16.945 54.18,17.25 54.512,17.25 55.387,17.25 55.962,17.25 56.187,17.025 JC3.B6 58.226,16.999 59.25,16.999 59.45,16.799 59.45,16.25 59.25,16.05 58.226,16.05 JC3.A6
Slave_GND: C11.2 C12.2 C14.2 C16.2 C17.2 C18.2 C19.2 C20.1 C21.2 C22.2 C23.2 C24.2 C28.2 C29.2 C30.1 DR2.1 DR3.1 DR4.1 EPD2.3 IC1.11 IC1.15 IC1.16 IC1.17 IC1.19 JC2.A1 JC2.A12 JC2.B1 JC2.B12 JC3.A1 JC3.A12 JC3.B1 JC3.B12 pad.2@36.395,25.659 pad.2@45.7,33.6 PD1.4 R4.1 R5.2 R6.2 R7.2 R8.2 R9.2 | length 121.5
  Top Layer w0.3: IC1.15 IC1.15@39.86,14.535 ; IC1.19 41.881,17.125 41.981,17.025 v2(42.062,17.025) 42.113,16.975 43,16.975 C20.1 ; IC1.11@39.86,11.935 40.872,11.935 v2(41.45,12.512) ; IC1.16@39.86,15.165 39.869,15.175 41.688,15.175 v2(42.25,15.737) ; C21.2 41.088,19.524 41.812,18.8 v2(41.824,18.8) ; v1(50.075,18.25) C24.2 ; JC3.A1@57.45,12.975 JC3.A1
  Top Layer w0.4: R5.2 R5.2@54.494,24.106 ; EPD2.3@54.6,16.25 EPD2.3 56.163,16.25 v1(56.175,16.238)
  Top Layer w0.5: DR3.1@51.7,26.5 52.3,25.9 ; 55.6,25.5 55.598,25.502 54.92,26.18 54.92,31.22 55.645,31.945
  Top Layer w0.508: JC2.A1@57.355,25.5 JC2.A1@57.376,25.479
  Top Layer w0.55: C23.2 53.588,12.237 ; v1(54.775,11.05) 53.588,12.237 ; JC3.A1@57.45,12.975 56.941,12.466 56.941,12.441 56.4,11.9 56.373,11.9 56.036,12.237 C22.2 53.588,12.237
  Top Layer w0.56: JC3.B1@58.2,19.49 JC3.B1@58.85,19.49
  Top Layer w0.57: C19.2 v1(47.013,22.25) R7.2 47.013,23.363 47.045,23.396 47.109,23.396 48.713,25 49.985,25 50.8,25.815 DR3.1 ; R5.2 54.487,25.45 C18.2 C17.2 54.487,29.693 54.536,29.742 v1(54.536,29.764) ; 54.487,32.513 54.487,31.317 ; 54.487,32.553 R6.2 R6.2@54.487,33.363 ; v1@54.5,29.8 54.487,29.813 C16.2 54.487,31.317 ; 54.515,26.1 v1@55.113,25.502 ; v1@54.735,31.945 55.645,31.945 v1(56,31.945) ; v1@54.925,31.755 54.487,31.317 ; v1@55.102,25.502 v1@55.113,25.502 ; v1@55.128,25.487 v1@55.113,25.502 ; v1@56,31.94 JC2.B1@57.355,31.94 ; v1(56.3,25.51) JC2.A1@57.355,25.51
  Top Layer w0.6: v1@55.113,25.502 55.598,25.502 v1@56.292,25.502
  Top Layer w0.7: PD1.4 39.134,30.659 41.263,32.788 41.39,32.788 41.675,33.073 C11.2 ; C11.2@41.9,33.6 45.7,33.6 45.85,33.6 47.6,31.85 C12.2@47.6,31.1
  Top Layer w1.5: DR2.1@33.1,21.649 33.1,22.364 36.245,25.509 36.245,25.659 36.395,25.659 PD1.4 ; DR3.1@50.8,25.45 54.487,25.45
  Int1 (GND) w0.5: 54.536,25.993 54.536,26.236 v1(54.536,29.764) 54.508,29.792 54.508,29.898 54.5,29.906 54.5,31.72 v1(54.73,31.95) ; 54.7,26.4 54.92,26.18 v1@54.92,25.61 ; 54.8,31.1 54.92,31.22 ; v1@54.92,31.7 54.92,31.22 ; 55.403,31.94 55.403,31.702 54.92,31.22
  Int1 (GND) w0.57: v1@54.805,31.94 55.403,31.94 v1@56,31.94
  Int1 (GND) w0.7: 54.536,25.993 v1@55.059,25.47
  Int1 (GND) w0.9: v1(53.035,25.85) 54.15,25.85 54.536,26.236 54.7,26.4
  Bottom Layer w0.3: v1(50.075,18.25) C30.1@51.24,18.249 ; C29.2 53.255,12.187 53.255,11.345 v1(53.3,11.3) ; C28.2 55.351,12.225 v1(56.008,11.568) ; R8.2 v1(63.2,15.05) ; R9.2 v1@62.949,18
  Bottom Layer w0.5: v1@54.536,31.866 v1(54.536,29.764) 54.536,26.079 v1@55.115,25.5 ; 54.92,31.22 v1@54.92,31.7 ; 54.955,26.175 55.365,25.765 55.63,25.5 55.675,25.455 ; 55,31.22 v1@55.72,31.94
  Bottom Layer w0.57: v1@54.805,31.94 55.72,31.94 v1@56,31.94
  Bottom Layer w0.6: v1@55.115,25.5 55.63,25.5 v1@56.29,25.5
  Bottom Layer w0.7: PD1.4 36.424,30.629 36.795,30.629 C14.2@38,30.629 ; 55,26.18 55,31.22 ; v1(55.1,25.5) v1@55.115,25.5
  Bottom Layer w1: pad.2@36.395,25.659 36.41,25.659 36.795,26.044 36.795,26.059 38.29,27.554 38.29,27.965 R4.1@38.425,28.1
  Bottom Layer w1.5: pad.2@36.39,25.664 PD1.4@36.39,30.654
  other v1: 57.6,11.112 61.15,11.225 46.7,11.95 49.125,13.775 63.15,18 57.45,19.65 56.1,19.7 57.75,22 60.8,22 63.8,22 54.551,27.864
  other v2: 49.575,15.338 52.975,15.362
pads on no net: EPD1.2 EPD1.4 EPD2.2 EPD2.4 IC1.14 JC1. JC1.A8 JC1.B8 JC1.SHEILD JC2. JC2.A6 JC2.A7 JC2.A8 JC2.B6 JC2.B7 JC2.B8 JC2.SHEILD JC3. JC3.A8 JC3.B8 JC3.SHEILD Mark1.Mark Mark2.Mark Mark3.Mark Mark4.Mark Mark5.Mark Mark6.Mark Mark7.Mark
copper on no net: | length 20.4
  Top Layer w0.2: 57.3,18.6 57.35,18.6
  Top Layer w1.2: 11.65,18.175 15.85,18.175 ; 11.65,26.825 15.85,26.825
  Top Layer w1.5: 42.6,29.3 44.5,29.3 ; 42.901,29.301 44.501,29.301
  Bottom Layer w1.2: 11.65,18.175 15.85,18.175 ; 11.65,26.825 15.85,26.825

## Polygon pours and split planes (outlines as drawn)
Host_GND on Bottom Layer "HOST_GND_L04_P002" (solid, pour order 2): 19.913,27.16 20,27.6 21.7,25.9 21.619,22.2 21.619,19.413 19.913,19.413
Host_GND on Bottom Layer "HOST_GND_L04_P019" (solid, pour order 19): 19.913,27.16 20,27.6 21.7,25.9 21.619,22.2 21.585,18.9 19.913,19.3
Host_GND on Bottom Layer "HOST_GND_L04_P005" (solid, pour order 5): 18,29.6 18.7,28.9 23.9,28.9 21,26 18.2,28.8 18.1,28.8
Slave_GND on Int1 (GND) "SLAVE_GND_L02_P026" (solid, remove dead copper, pour order 26): 65,35 41.075,35 36,30.293 36,25.159 40.812,19.543 40.812,10 65,10
Host_GND on Int1 (GND) "HOST_GND_L02_P023" (solid, remove dead copper, pour order 23): 31.5,19.4 31.5,10.037 31.537,10 10,10 10,35 10.025,35.025 25.7,35.025 25.7,25.175 25.725,25.15
Host_GND on Int1 (GND) "HOST_GND_L02_P004" (solid, pour order 4): 18,29.6 18.7,28.9 23.9,28.9 21,26 18.2,28.8 17.45,29
Host_GND on Int1 (GND) "HOST_GND_L02_P003" (solid, pour order 3): 19.913,27.16 20,27.6 21.7,25.9 21.619,22.2 21.619,20.023 19.913,19.892
Host_GND on Int1 (GND) "HOST_GND_L02_P001" (solid, pour order 1): 21.6,20.9 22.856,18.9 20.313,18.9 19.913,19.3
Slave_5v on Int2 (PWR) "SLAVE_5V_L03_P024" (solid, remove dead copper, pour order 24): 65,22.7 55.375,22.7 52.212,19.537 40.812,19.537 40.812,10.762 40.812,10 65,10
Host_5v on Int2 (PWR) "HOST_5V_L03_P021" (solid, remove dead copper, pour order 21): 28.975,25.625 28.975,21.95 31,19.875 31,10.25 27.225,10.25 27.225,25.675
Ext_5v on Int2 (PWR) "EXT_5V_L03_P010" (solid, remove dead copper, pour order 10): 52.558,29.065 54.487,30.9 56.7,31.1 56.7,26.35 52.6,27.6
Slave_GND on Top Layer "SLAVE_GND_L01_P017" (solid, remove dead copper, pour order 17): 52.725,10.011 52.725,12.55 48.25,15.125 46.125,15.125 46.125,10
Slave_GND on Top Layer "SLAVE_GND_L01_P015" (solid, remove dead copper, pour order 15): 52.725,12.55 56.85,12.55 57.65,13.35 65.2,13.35 65.2,10 52.725,10
Slave_GND on Top Layer "SLAVE_GND_L01_P011" (solid, remove dead copper, pour order 11): 65,19.2 53.15,19.2 53.15,25.75 65,25.75

## Keep-outs
Keep-Out Layer:
  the board outline again, w0.254

## Other copper
Top Layer:
  rectangle net Slave_GND: 39.175,14.513 40.562,15.825
  pour cut-out: 8.4,27.925 17.15,27.925 17.15,16.913 8.4,16.913
  pour cut-out: 31.562,18.525 40.812,18.525 40.812,11 31.562,11
  region net Slave_5v: 45.5,21.55 43.048,21.55 43.048,17.625 47.718,17.625
  region net Slave_5v: 41.946,17.859 43.05,18.962 43.05,18.132 43.407,17.775
  pour cut-out: 19.275,17.1 24.825,17.1 24.825,11.775 19.275,11.775
  region net Host_GND: 17.725,19.075 17.725,19.025 18.225,18.525 20.375,18.525 20.375,19.125 20.325,19.175
  region net Host_GND: 20.835,19.85 21.906,19.85 23.475,21.1 23.475,19.1 20.113,19.1 20.113,19.5 20.607,19.994
  region net Host_5v: 25.6,23.65 28.975,25.6 25.175,25.6
  region net Slave_GND: 54.551,27.864 54.364,27.864 53.3,26.8 54.536,26.8
  region net Slave_GND: 51.675,27.2 54.425,27.2 54.425,26.125 54.3,26 51.8,26
  region net Slave_GND: 54.331,33.544 55.592,31.94 54.74,31.94 54.735,31.945
  region net Host_5v: 18.83,31.475 19.675,31.475 20.15,31 20.25,31.1 20.25,31.9 19.1,31.9 18.975,32.025
  region net Slave_GND: 48.475,25.15 49.825,26.5 50.225,26.1 50.225,25.05
  region net Slave_5v: 48.225,17.925 49.644,19.344 49.644,19.7 48.225,19.7
  region net Ext_5v: 48.15,20.525 50.7,20.525 52,21.825 52,23.15 51.075,24.075 49.068,24.075 48.15,22.977
  region net Slave_5v: 59.15,13.625 56.575,13.625 56.5,13.55 51.775,13.55 51.675,13.65 51.675,14.75 56.5,14.75 57.1,14.15 57.225,14.15
  region net Slave_GND: 54.75,24.4 55.8,25.45 54.487,25.45
  region net Slave_5v: 51.247,19.428 52.848,18.4 57.35,18.4 55.369,18.731 54.2,19.9 54.2,20.8 54.075,20.8 53.725,21.15
  region net ISO_5v: 40.747,30.659 43.141,30.659 45.1,28.7 43.35,26.35 40.6,23.6
Int1 (GND):
  pour cut-out: 64.669,34.65 57.84,34.65 57.84,23.475 64.651,23.475
  pour cut-out: 8.4,27.925 17.15,27.925 17.15,16.913 8.4,16.913
  pour cut-out: 31.562,19.4 38.265,19.4 38.265,10 31.562,10
  pour cut-out: 19.275,17.1 24.825,17.1 24.825,11.775 19.275,11.775
  region net Host_GND: 17.65,29.65 18.2,29.65 20.425,31.875 25.325,31.875 28.7,28.5 28.43,28.23 18.843,28.23
  region net Host_GND: 29.1,27.618 29.1,28.42 31.32,30.64 31.32,25.618
Int2 (PWR):
  region net Host_5v: 27.65,26.287 25.45,25.063 23.75,24.088 23.75,21.925 27.262,18.413
  pour cut-out: 8.4,27.925 17.15,27.925 17.15,16.913 8.4,16.913
  pour cut-out: 31.563,19.413 40.812,19.413 40.812,10 31.563,10
  region net Ext_5v: 49.503,22.575 50.525,22.575 52,24.05 52,27.125 50.575,27.125 50.55,27.15
  region net Ext_5v: 51.825,25.75 52.875,26.8 51.825,26.8
  region net Ext_5v: 51.35,26.8 54,26.8 53.751,28.215 53.316,28.65 52.2,28.65 51.2,27.65
Bottom Layer:
  pour cut-out: 31.562,18.525 40.812,18.525 40.812,11 31.562,11
  region net ISO_5v: 40.8,31.2 43.219,31.2 45.243,28.843 42.1,25.7 40.8,25.7
  region net ISO_5v: 39.5,30.9 39.5,30.2 40.1,29.6 40.1,28.4 41,27.4 42.2,28.5 42.2,30.9
  region net Slave_GND: 38.452,30.289 39,29.558 39,28.3 36.795,26.5 36.7,28.7 36.795,28.795 36.795,30.629
  region net Host_GND: 29.1,28.2 29.1,28.42 31.32,30.1 31.32,26.2

## Silkscreen, mask and mechanical layers (free items; w line width, h text height)
Top Overlay:
  lines w0.3: 21.3,21.9 21.3,23.125
  text "9" at 11.775,24.625 h1 r90
  text "Host" at 13.846,20.654 h1.2 r90
  text "Slave" at 62.446,13.554 h1.2 r90
Bottom Overlay:
  lines w0.2: 50.726,22.662 51.292,22.662 ; 50.734,22.1 50.734,22.666 51.866,21.534 ; 51.369,16.005 51.608,15.492 ; 51.949,16.452 51.601,15.498 52.114,15.737 ; 53.6,21.4 55.2,21.4 54.8,21.8 ; 54.803,21.008 55.203,21.408
  lines w0.254: 36.7,33.5 39,33.5 ; 41.2,33.5 43.9,33.5
  text "Y" at 39.754,32.654 h1.2
  text "P" at 53.046,20.454 h1.1
Top Solder:
  rectangle: 13.15,17.575 14.35,18.775
  rectangle: 13.15,26.225 14.35,27.425

## Text inside footprints (layer, text, board x,y; h text height)
PD1: Top Overlay "B0505S-3WR2" at 29.28,26.68 h1.2